# Allegro board reServer J2032_V1.brd (continued)
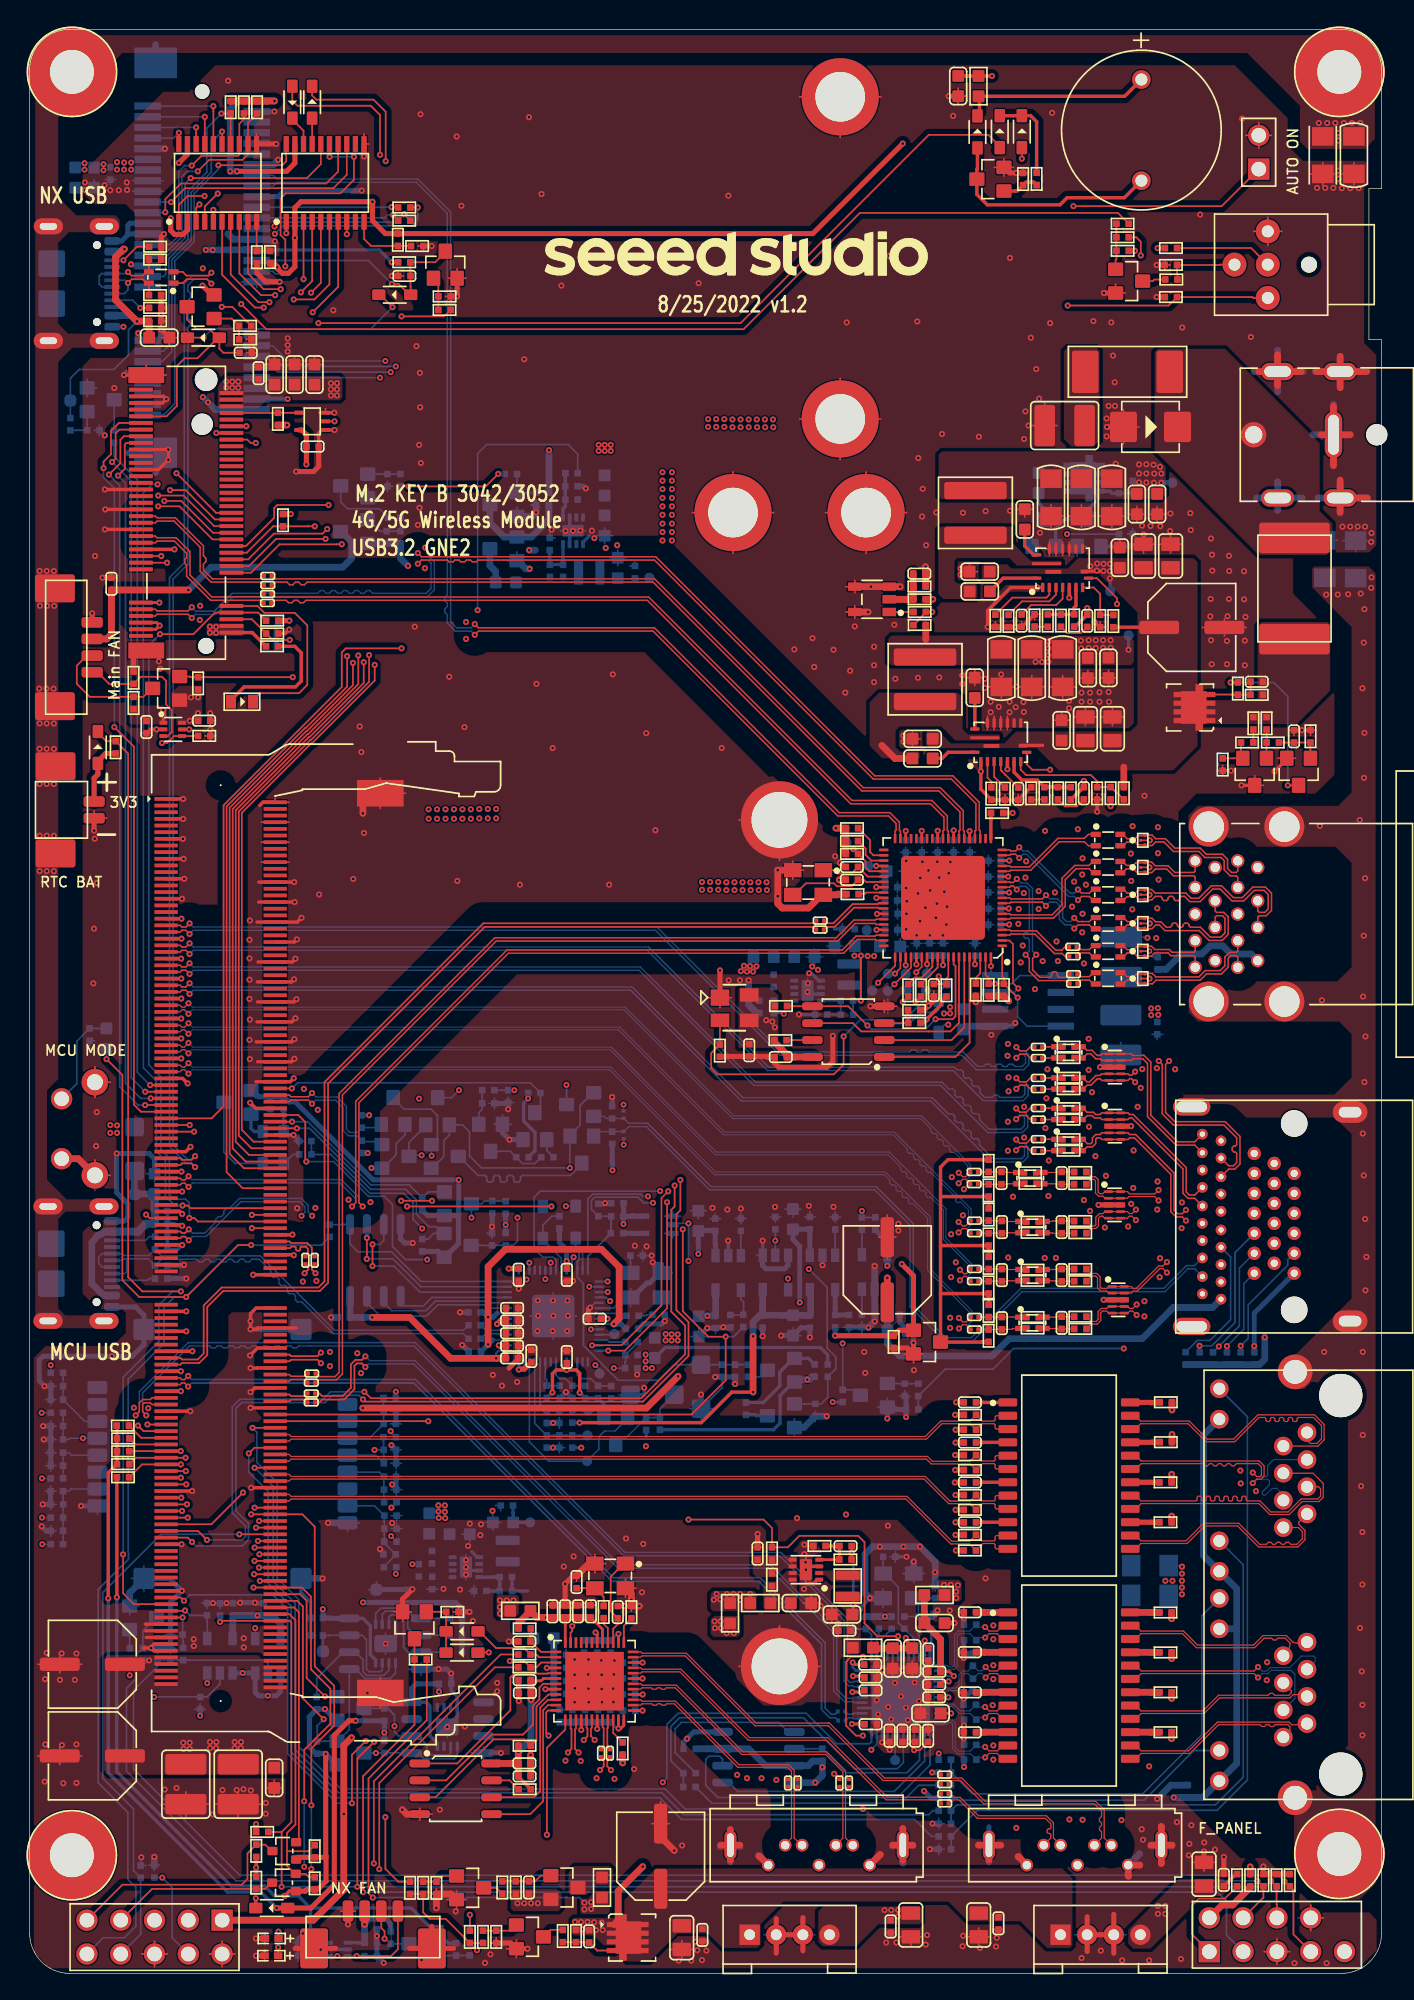
[diagram p0: board, top side]
## Routing (per net, layer and track width the routed paths; a pad name or vN(x,y) marks a point on that pad's centre or on a via; arc(x,y) is an arc through that point) (continued)
DP0_TXD2_P_CON: length 13.7
  TOP w0.109: R203.2 78.55,65 L20.2 79.16,65 79.47,64.7 79.95,64.7 80.12,64.52 80.45,64.52 80.58,64.65 D58.1 D58.10 82.54,64.65 82.67,64.52 82.94,64.52 86.92,60.54 86.92,58.71 87.16,58.48 87.56,58.48 J13.B7
DP0_TXD3_N: length 73.9
  TOP w0.109: J5.57 11.31,74.24 11.43,74.11 11.74,74.11 v1(12.01,74.39) ; v1(74.14,61.84) 74.42,62.12 74.85,62.12 74.9,62.12 75.21,61.81 C233.1
  BOTTOM w0.109: v1(12.01,74.39) 12.29,74.11 45.27,74.11 53.59,65.79 67.83,65.79 69.06,64.56 69.37,64.56 69.52,64.4 69.52,64.1 69.68,63.94 69.98,63.94 70.14,63.79 70.14,63.48 70.3,63.32 70.6,63.32 70.76,63.17 70.76,62.86 70.92,62.71 71.22,62.71 71.38,62.55 71.38,62.24 72.41,61.21 74.56,61.21 74.77,61.43 74.77,62.01 74.66,62.12 74.42,62.12 v1(74.14,61.84)
DP0_TXD3_N1: length 1.5
  TOP w0.109: C233.2 L21.4 77.16,61.81 R206.1
DP0_TXD3_N_CON: length 16.7
  TOP w0.109: R206.2 78.54,61.81 L21.3 79.19,61.81 79.47,62.09 79.86,62.09 80.12,62.34 80.12,62.67 80.22,62.78 80.45,62.78 80.58,62.65 D58.5 D58.6 82.54,62.65 82.67,62.78 83.02,62.78 85.76,60.03 85.76,57.23 86.16,56.83 86.62,56.83 v1(86.9,56.56)
  LYR3 w0.089: J13.B12 89.54,56.3 89.39,56.44 88.73,56.44 88.32,56.85 87.19,56.85 v1(86.9,56.56)
DP0_TXD3_P: length 74
  TOP w0.109: v1(74.14,62.64) 74.42,62.37 74.74,62.37 74.9,62.37 75.21,62.68 C232.1 ; J5.59 11.31,73.74 11.43,73.86 11.74,73.86 v1(12.01,73.59)
  BOTTOM w0.109: v1(12.01,73.59) 12.29,73.86 45.17,73.86 53.49,65.54 67.72,65.54 72.3,60.97 74.66,60.97 75.02,61.32 75.02,62.11 74.76,62.37 74.42,62.37 v1(74.14,62.64)
DP0_TXD3_P1: length 1.5
  TOP w0.109: R205.1 77.16,62.67 L21.1 76.59,62.66 76.58,62.68 C232.2
DP0_TXD3_P_CON: length 16.7
  TOP w0.109: R205.2 78.55,62.66 L21.2 79.16,62.66 79.49,62.34 79.76,62.34 79.87,62.45 79.87,62.77 80.12,63.02 80.45,63.02 80.58,63.15 D58.4 D58.7 82.54,63.15 82.67,63.02 83.12,63.02 86.01,60.13 86.01,57.34 86.26,57.08 86.62,57.08 v1(86.9,57.36)
  LYR3 w0.089: J13.B10 89.54,56.82 89.38,56.66 88.82,56.66 88.41,57.06 87.19,57.06 v1(86.9,57.36)
DP_MODE: length 34.5
  LYR3 w0.121: J13.B13 56.18,55.05
  LYR3 w0.127: 56.18,55.05 v1(56.04,55.05)
  BOTTOM w0.121: 56.04,55.47 56.04,55.46 U25.2
  BOTTOM w0.127: R207.1 56.04,55.06 v1(56.04,55.05)
DP_MODE_LS: length 43.5
  LYR3 w0.121: v1(56.99,52.2) 47.13,52.2 40.6,58.73 v1(40.6,60.51)
  BOTTOM w0.121: 30.18,60.48 Q24.1 ; Q25.1 v1(40.6,60.51) ; U25.4 v1(56.99,52.2)
  BOTTOM w0.127: Q25.1 40.6,62.97 41.36,63.73 41.36,65.21 42.32,66.17 Q28.1 ; Q24.1 30.24,60.49 31.12,61.37 31.12,62.57 31.55,62.99 Q27.1 32.53,63.75 33.05,63.23 33.05,61.43 33.97,60.51 v1(40.6,60.51)
EEPROM_A0: length 6.9
  BOTTOM w0.127: U34.1 26,27.03 26.4,27.44 28.18,27.44 28.95,26.67 U30.1 31.09,26.67 31.1,26.68 R251.2
EEPROM_A1: length 7.2
  BOTTOM w0.127: U34.2 26.5,26.98 26.73,27.21 27.95,27.21 28.41,26.75 28.41,25.94 28.95,25.4 U30.2 31.11,25.4 31.13,25.38 R250.2
EEPROM_A2: length 7.6
  BOTTOM w0.127: R249.2 31.13,24.14 31.12,24.13 U30.3 28.46,24.13 28.1,24.48 28.1,26.63 27.8,26.93 27.16,26.93 27,26.77 U34.3
EXTPWRON: length 3
  TOP w0.121: U17.63 67.04,75.62 v1(66.63,75.22)
  BOTTOM w0.121: TP16.1 66.65,74.6 66.63,74.61 v1(66.63,75.22)
FAN_PWM: length 114.3
  TOP w0.127: v1(16.82,28.99) J5.230 20.46,28.99 21.14,28.3 21.14,22.84 22.6,21.39 22.6,18.76 20.63,16.8 v1(20.63,12.94) ; v1(9.94,92.44) 10.32,92.44 10.84,92.96 U13.4 12.2,92.96 12.22,92.97 R77.1
  LYR3 w0.127: v1(16.82,28.99) 12.07,28.99 9.74,31.33 9.74,63.35 10.22,63.84 10.22,67.77 9.52,68.48 9.52,92.01 v1(9.94,92.44) ; v1(20.63,8.01) 20.63,6.27 17.89,3.53 17.89,1.53 18.45,0.97 22.79,0.97 v1(23.12,1.3)
  BOTTOM w0.127: v1(20.63,8.01) v1(20.63,12.94) ; v1(23.12,1.3) U33.4 21.55,1.3 21.54,1.31 R286.1
FAN_TACH: length 130.2
  TOP w0.127: v1(16.65,34.49) J5.208 20.49,34.49 21.42,33.56 21.42,23.07 22.88,21.61 22.88,18.61 21.17,16.9 v1(21.17,12.63) ; v1(19.77,97.38) R71.2 12.08,97.38 12.03,97.43 Q10.2
  LYR3 w0.127: v1(21.17,7.84) 21.17,6.28 18.25,3.36 18.25,1.66 18.63,1.28 22.39,1.28 22.84,1.73 v1(33.62,1.73) ; v1(16.65,34.49) 16.07,34.49 15.38,35.19 15.38,83.4 19.77,87.79 v1(19.77,97.38)
  BOTTOM w0.127: v1(21.17,12.63) 21.17,12.2 v1(21.17,7.84) ; v1(33.62,1.73) 33.61,1.73 R287.1
FORCE_RECOVERYN: length 43.7
  TOP w0.127: J5.214 v1(15.76,32.99)
  BOTTOM w0.127: J2.8 8.34,2.95 D20.2 7.81,7.71 7.81,12.35 5.5,14.66 5.5,28.63 9.86,32.99 v1(15.76,32.99)
GBE_LED_ACT: length 74.6
  TOP w0.127: J5.194 v1(16.9,37.99)
  BOTTOM w0.127: 68.32,12.17 R114.1 67.88,12.22 67.58,11.92 49.16,11.92 47.51,13.57 23.2,13.57 19.95,16.82 19.95,27.82 18.3,29.47 18.3,36.59 v1(16.9,37.99)
GBE_LED_LINK: length 77.2
  TOP w0.127: J5.188 16.89,39.49 v1(16.47,39.07)
  BOTTOM w0.127: R115.1 67.78,10.29 66.51,11.56 48.99,11.56 47.35,13.2 23.09,13.2 19.65,16.64 19.65,27.59 17.93,29.32 17.93,36.19 16.47,37.65 v1(16.47,39.07)
GBE_MDI0_N: length 56.3
  TOP w0.084: T2.2 72.65,41.9 72.56,41.81 72.56,41.58 72.48,41.49 71.6,41.49 D82.2 70.67,41.5 68.47,41.5 67.31,40.34 19.65,40.34 19.5,40.49 J5.184
GBE_MDI0_P: length 56.3
  TOP w0.084: T2.3 72.65,40.9 72.56,40.98 72.56,41.21 72.48,41.3 71.58,41.3 D81.2 70.68,41.3 68.55,41.3 67.4,40.14 19.65,40.14 19.5,39.99 J5.186
GBE_MDI1_N: length 56
  TOP w0.084: J5.190 19.5,38.99 19.65,38.84 67.48,38.84 67.84,38.47 70.11,38.47 70.29,38.47 70.66,38.47 D80.2 71.57,38.49 72.48,38.49 72.56,38.58 72.56,38.81 72.65,38.9 T2.5
GBE_MDI1_P: length 56
  TOP w0.084: J5.192 19.5,38.49 19.65,38.64 67.4,38.64 67.76,38.27 70.11,38.27 70.29,38.27 70.67,38.27 D79.2 71.6,38.3 72.48,38.3 72.56,38.21 72.56,37.98 72.65,37.9 T2.6
GBE_MDI2_N: length 56.6
  TOP w0.084: T2.8 72.65,35.9 72.56,35.81 72.56,35.58 72.48,35.49 71.57,35.49 D78.2 70.67,35.49 69.15,35.49 67.3,37.34 19.65,37.34 19.5,37.49 J5.196
GBE_MDI2_P: length 56.6
  TOP w0.084: T2.9 72.65,34.9 72.56,34.98 72.56,35.21 72.48,35.3 71.6,35.3 D77.2 70.66,35.29 69.07,35.29 67.22,37.14 19.65,37.14 19.5,36.99 J5.198
GBE_MDI3_N: length 57.2
  TOP w0.084: J5.202 19.5,35.99 19.65,35.84 65.93,35.84 69.31,32.46 70.64,32.46 D76.2 71.57,32.49 72.48,32.49 72.56,32.58 72.56,32.81 72.65,32.9 T2.11
GBE_MDI3_P: length 57.2
  TOP w0.084: T2.12 72.65,31.9 72.56,31.98 72.56,32.21 72.48,32.3 71.64,32.3 D75.2 70.63,32.27 69.22,32.27 65.85,35.64 19.65,35.64 19.5,35.49 J5.204
GPIO1: length 3.2
  TOP w0.121: v1(63.76,74.43) 65.04,75.71 U17.58
  BOTTOM w0.121: v1(63.76,74.43) 63.32,73.99 TP11.1
GPIO01: length 83.2
  TOP w0.127: J5.118 16.01,58.99 14.8,60.2 14.8,87.67 20.69,93.56 20.74,93.56 23.86,96.68 v1(23.86,98.97) ; v1(19.29,130.74) 19.29,131.59 U27.1
  LYR3 w0.127: v1(19.29,130.74) 22.67,130.74 23.86,129.55 v1(23.86,98.97)
GPIO2: length 2
  TOP w0.121: v1(65.03,75.11) 65.44,75.52 U17.59
  BOTTOM w0.121: TP12.1 64.5,75.11 v1(65.03,75.11)
GPIO3: length 1.3
  TOP w0.121: U17.60 v1(65.84,75.74)
  BOTTOM w0.121: v1(65.84,75.74) 65.84,75.11 TP13.1
GPIO4: length 3.3
  TOP w0.121: v1(64.99,74.31) 66.24,75.56 U17.61
  BOTTOM w0.121: v1(64.99,74.31) TP15.1
GPIO07: length 102.1
  TOP w0.127: U27.7 23.18,126.71 v1(21.27,124.8) ; J5.206 v1(16.9,34.99)
  LYR3 w0.127: v1(21.27,124.8) 21.27,113.24 20.18,112.15 20.18,87.66 15.61,83.09 15.61,35.9 16.52,34.99 v1(16.9,34.99)
GPIO09: length 81.4
  TOP w0.127: J5.130 v1(16.7,55.99) ; v1(20.58,127.29) U27.3
  LYR3 w0.127: v1(20.58,127.29) 21.6,127.29 22.1,126.78 22.1,113.01 21.02,111.92 21.02,87.51 16.06,82.56 16.06,56.62 v1(16.7,55.99)
GPIO11: length 105.2
  TOP w0.127: U27.5 21.88,127.01 v1(21.14,126.27) ; J5.216 v1(17.15,32.49)
  LYR3 w0.127: v1(21.14,126.27) 20.84,125.97 20.84,114.48 18.88,112.53 18.88,87.92 14.89,83.93 14.89,33.18 15.59,32.49 v1(17.15,32.49)
GPIO12: length 105.6
  TOP w0.127: v1(20.38,126.3) 21.23,127.15 U27.4 ; J5.218 v1(16.9,31.99)
  LYR3 w0.127: v1(16.9,31.99) 15.58,31.99 14.67,32.9 14.67,84.21 18.55,88.09 18.55,112.76 20.38,114.59 v1(20.38,126.3)
GPIO13: length 109.1
  TOP w0.127: v1(19.85,125.76) 21.4,125.76 22.53,126.9 U27.6 ; J5.228 v1(17.3,29.49)
  LYR3 w0.127: v1(19.85,125.76) 19.85,125.36 19.84,125.36 19.84,114.58 18.17,112.91 18.17,88.25 14.44,84.51 14.44,31.68 16.63,29.49 v1(17.3,29.49)
HDD_LED1: length 6.5
  TOP w0.127: D16.1 33.71,24.11 v1(34.5,24.11) ; v1(36.09,23.47) 36.93,23.47 37.03,23.47 37.17,23.47 R132.1 38.08,22.99 38.45,23.36 38.96,23.36 38.96,23.35 U21.3
  LYR3 w0.127: v1(36.09,23.47) 35.15,23.47 v1(34.5,24.11)
HDD_LED2: length 6.7
  TOP w0.127: U21.2 38.29,23.75 38.08,23.96 R133.1 37.15,24.45 35.04,24.45 33.79,25.7 D17.1
HDD_LED-: length 90.1
  TOP w0.127: Q13.3 28.92,24.37 28.92,24.37 R84.2 28.92,18.68 25.05,14.82 v1(25.05,6.1)
  BOTTOM w0.127: J4.3 89.95,2.88 89.95,5.42 89.27,6.1 v1(25.05,6.1)
HDMI_CEC: length 6.6
  TOP w0.254: J5.94 17,64.99 v1(16.57,65.41)
  BOTTOM w0.254: D33.1 16.87,63.25 16.63,63.49 Q20.2 ; Q20.2 17.01,64.94 R163.2 ; Q20.2 16.63,65.35 16.57,65.41 v1(16.57,65.41)
HDMI_CEC_CON: length 86.7
  LYR3 w0.127: v1(87.92,47.15) 83.35,47.15 78.83,51.67 47.1,51.67 41.55,57.22 30.75,57.22 v1(29.5,55.96)
  BOTTOM w0.127: C215.1 21.17,61.98 21.18,61.97 L15.2 21.62,61.52 21.62,61.53 22.64,61.53 25.56,58.6 28.1,58.6 28.81,57.89 28.81,56.65 v1(29.5,55.96) ; J13.A13 90.59,54.15 90.59,48.89 88.85,47.15 v1(87.92,47.15) D38.2
HDMI_DDC_SCL: length 18.3
  TOP w0.127: v1(20.08,63.49) 19.7,63.49 J5.100
  BOTTOM w0.127: R148.2 29.94,55.17 30.36,55.59 31.08,55.59 ; 31.08,55.59 Q18.2 ; 31.08,55.59 30.57,56.1 30.01,56.1 29.2,56.91 29.06,57.05 29.06,58.11 28.25,58.91 25.61,58.91 21.03,63.49 20.46,63.49 20.46,63.49 v1(20.08,63.49)
HDMI_DDC_SCL_CON: length 73.3
  LYR3 w0.127: v1(89.37,47.1) 88.99,46.72 83.07,46.72 78.52,51.26 46.92,51.26 41.41,56.78 v1(36.66,56.78)
  BOTTOM w0.127: 90.92,48.65 D37.2 ; 90.92,48.65 90.92,52.98 J13.A15 ; 90.92,48.65 v1(89.37,47.1) ; Q18.3 34.06,54.7 34.07,54.69 C208.1 34.76,54.7 R150.2 36.34,54.7 36.66,55.02 v1(36.66,56.78)
HDMI_DDC_SDA: length 15.3
  TOP w0.127: J5.98 v1(19.72,63.99)
  BOTTOM w0.127: v1(19.72,63.99) 20.89,63.99 25.64,59.24 28.53,59.24 R149.2 29.94,58.71 Q19.2
HDMI_DDC_SDA_CON: length 75.6
  LYR3 w0.127: v1(33.2,56.78) 35.93,56.78 36.43,56.27 41.31,56.27 46.72,50.86 77.75,50.86 82.69,45.92 89.79,45.92 91.02,47.15 v1(91.02,47.15)
  BOTTOM w0.127: J13.A16 94.55,53.61 94.55,53.19 91.58,50.22 91.58,47.71 v1(91.02,47.15) D36.2 ; R151.2 35.21,58.01 35.21,58.02 C209.1 34.16,58.02 33.96,57.82 Q19.3 v1(33.2,56.78)
HDMI_HPD: length 60
  TOP w0.127: v1(20.79,60.99) 20.71,61.07 20.71,63.96 20.19,64.49 J5.96
  LYR3 w0.127: v1(61.1,47.33) 61.1,48.93 60.11,49.92 46.19,49.92 41.54,54.57 30.82,54.57 v1(29.88,53.63)
  BOTTOM w0.127: v1(29.88,53.63) 28.25,53.63 27.26,54.62 27.26,57.77 26.65,58.38 25.46,58.38 22.84,60.99 v1(20.79,60.99) ; Q22.3 62.01,43.85 R181.2 v1(61.1,47.33)
HDMI_HPD_CON: length 33.1
  LYR3 w0.127: v1(89.98,47.13) 89.19,46.34 82.84,46.34 v1(82.23,46.95)
  BOTTOM w0.127: v1(82.23,46.95) 73.95,46.95 72.4,45.4 68.8,45.4 R185.2 66.79,42.81 66.79,42.81 C219.1 ; D34.2 v1(89.98,47.13) 91.25,48.39 91.25,51.81 J13.A19
HDMI_TX0_N: length 71.8
  TOP w0.084: C216.1 70.37,52.37 70.21,52.37 v1(69.91,52.07) ; v1(11.94,69.91) 11.61,69.59 11.45,69.59 11.3,69.74 J5.75
  BOTTOM w0.084: v1(11.94,69.91) 12.26,69.59 43.73,69.59 51.61,61.7 64.6,61.7 68.86,57.44 68.86,55.23 70.8,53.3 70.8,52.63 70.53,52.37 70.21,52.37 v1(69.91,52.07)
HDMI_TX0_N1: length 3.6
  TOP w0.084: C216.2 71.64,52.01 71.65,52 R174.2 72.64,52 72.64,52 C273.2 73.48,52 73.52,52.03 L16.4 74.91,52.03 L28.1
HDMI_TX0_N2: length 3.1
  TOP w0.084: L16.3 76.3,52.03 L28.2 75.84,52.03 L16.3 ; L16.3 77.1,52.03 77.14,52 C274.2 78.07,52 78.08,52 R178.1
HDMI_TX0_P: length 71.8
  TOP w0.084: v1(69.91,52.86) 70.21,52.56 70.37,52.56 C214.1 ; J5.77 11.3,69.24 11.45,69.39 11.66,69.39 v1(11.94,69.12)
  BOTTOM w0.084: v1(69.91,52.86) 70.21,52.56 70.45,52.56 70.6,52.72 70.6,53.22 68.67,55.15 68.67,57.36 67.71,58.32 67.48,58.32 67.36,58.44 67.36,58.67 67.24,58.79 67.01,58.79 66.88,58.91 66.88,59.14 66.76,59.27 66.53,59.27 66.41,59.39 66.41,59.62 66.29,59.74 66.06,59.74 65.93,59.86 65.93,60.09 65.81,60.21 65.58,60.21 65.46,60.34 65.46,60.57 64.52,61.5 51.53,61.5 43.64,69.39 12.21,69.39 v1(11.94,69.12)
HDMI_TX0_P1: length 3.7
  TOP w0.084: C214.2 71.65,52.92 71.65,52.92 R169.2 72.64,52.92 72.64,52.92 C273.1 73.48,52.92 73.52,52.88 L16.1 74.89,52.88 ; 74.91,52.89 74.9,52.88 74.89,52.88 ; 74.89,52.88 L27.1
HDMI_TX0_P2: length 3.2
  TOP w0.084: 75.85,52.88 75.84,52.88 75.83,52.89 ; 75.85,52.88 L16.2 ; 75.85,52.88 L27.2 76.28,52.87 L16.2 ; L16.2 77.1,52.88 77.14,52.92 C274.1 78.07,52.92 78.08,52.92 R177.1
HDMI_TX1_N: length 70
  TOP w0.084: C213.1 70.38,55.96 70.11,55.96 v1(69.81,55.66) ; v1(11.94,71.38) 11.64,71.09 11.45,71.09 11.3,71.24 J5.69
  BOTTOM w0.084: v1(11.94,71.38) 12.23,71.09 44.35,71.09 52.23,63.2 64.98,63.2 70.75,57.44 70.75,56.24 70.47,55.96 70.11,55.96 v1(69.81,55.66)
HDMI_TX1_N1: length 4.1
  TOP w0.084: C213.2 71.64,55.61 71.65,55.6 R167.2 72.64,55.6 72.64,55.61 C271.2 73.48,55.61 73.52,55.64 L14.4 74.44,55.64 ; 74.44,55.64 74.44,55.63 74.91,55.63 ; 74.44,55.64 L26.1
HDMI_TX1_N2: length 3.1
  TOP w0.084: 76.28,55.64 76.28,55.63 75.83,55.63 ; 76.28,55.64 L26.2 ; 76.28,55.64 L14.3 76.83,55.64 76.86,55.6 C272.2 77.98,55.6 77.98,55.61 R175.1
HDMI_TX1_P: length 70
  TOP w0.084: v1(69.81,56.45) 70.11,56.16 70.33,56.16 C212.1 ; v1(11.94,70.59) 11.64,70.89 11.45,70.89 11.3,70.74 J5.71
  BOTTOM w0.084: v1(69.81,56.45) 70.11,56.16 70.38,56.16 70.55,56.33 70.55,57.36 69.98,57.93 69.86,57.93 69.84,57.91 69.72,57.91 69.6,58.03 69.6,58.15 69.62,58.17 69.62,58.29 67.72,60.19 67.52,60.19 67.38,60.32 67.38,60.53 67.24,60.66 67.04,60.66 66.91,60.8 66.91,61 66.77,61.14 66.57,61.14 66.43,61.27 66.43,61.47 66.3,61.61 66.09,61.61 65.96,61.75 65.96,61.95 64.9,63 52.15,63 44.26,70.89 12.23,70.89 v1(11.94,70.59)
HDMI_TX1_P1: length 4.1
  TOP w0.084: L14.1 74.45,56.48 L25.1 ; L14.1 73.53,56.49 73.48,56.53 C271.1 72.64,56.53 72.62,56.55 R165.2 71.65,56.55 71.65,56.55 C212.2 ; L14.1 74.44,56.5 74.9,56.5
HDMI_TX1_P2: length 3.1
  TOP w0.084: L14.2 76.28,56.5 75.83,56.5 ; L14.2 76.83,56.49 76.87,56.53 C272.1 77.98,56.53 77.99,56.52 R172.1 ; L14.2 76.27,56.48 L25.2
HDMI_TX2_N: length 68.8
  TOP w0.084: v1(69.82,59.36) 70.12,59.65 70.34,59.65 C211.1 ; v1(11.94,72.88) 11.64,72.59 11.45,72.59 11.3,72.74 J5.63
  BOTTOM w0.084: v1(69.82,59.36) 70.12,59.65 70.43,59.65 70.7,59.93 70.7,60.76 67.04,64.42 52.92,64.42 44.75,72.59 12.23,72.59 v1(11.94,72.88)
HDMI_TX2_N1: length 4
  TOP w0.084: 74.73,59.32 74.28,59.32 L13.4 ; L13.4 73.49,59.32 73.46,59.29 C269.2 72.62,59.29 72.61,59.29 R161.2 71.65,59.29 71.64,59.3 C211.2 ; L13.4 74.75,59.32 L24.1
HDMI_TX2_N2: length 3.3
  TOP w0.084: L13.3 75.66,59.32 75.65,59.32 ; L13.3 77.11,59.32 77.14,59.29 C270.2 77.98,59.29 77.98,59.29 R170.1 ; L13.3 76.12,59.32 L24.2
HDMI_TX2_P: length 68.6
  TOP w0.084: J5.65 11.3,72.24 11.45,72.39 11.64,72.39 v1(11.94,72.09) ; v1(69.82,60.15) 70.12,59.85 70.34,59.85 C210.1
  BOTTOM w0.084: v1(69.82,60.15) 70.12,59.85 70.34,59.85 70.5,60.01 70.5,60.68 69.5,61.68 69.27,61.68 69.15,61.81 69.15,62.04 69.02,62.16 68.79,62.16 68.67,62.28 68.67,62.51 68.55,62.63 68.32,62.63 68.2,62.76 68.2,62.98 68.07,63.11 67.85,63.11 67.72,63.23 67.72,63.46 66.96,64.22 52.84,64.22 44.67,72.39 12.23,72.39 v1(11.94,72.09)
HDMI_TX2_P1: length 3.9
  TOP w0.084: L13.1 73.5,60.17 73.46,60.22 C269.1 72.62,60.22 72.61,60.21 R159.2 71.65,60.21 C210.2 ; L13.1 74.71,60.17 L23.1 ; L13.1 74.28,60.18 74.73,60.18
HDMI_TX2_P2: length 3.3
  TOP w0.084: 76.11,60.18 76.11,60.18 L23.2 ; 76.11,60.18 L13.2 77.1,60.17 77.14,60.22 C270.1 77.98,60.22 77.99,60.21 R173.1 ; 76.11,60.18 75.65,60.18 75.66,60.17
HDMI_TXC_CON_N: length 22.4
  TOP w0.084: R180.2 79.78,48.78 80.23,48.78 80.5,49.05 80.5,49.63 80.62,49.76 80.94,49.76 81.09,49.61 D56.5 D56.6 82.53,49.61 82.68,49.76 82.9,49.76 v1(83.19,49.46)
  LYR3 w0.076: v1(83.19,49.46) 83.49,49.76 90.69,49.76 91.42,50.49 91.42,54.43 91.74,54.74 92.42,54.74 93.21,55.53 93.8,55.53 94.51,56.24 94.93,56.24 95.04,56.14 J13.A12
HDMI_TXC_CON_P: length 22.5
  TOP w0.084: R179.2 79.78,48.98 80.15,48.98 80.3,49.13 80.3,49.71 80.54,49.96 80.95,49.96 81.1,50.11 D56.4 D56.7 82.52,50.11 82.67,49.96 82.9,49.96 v1(83.19,50.25)
  LYR3 w0.076: J13.A10 95.04,56.55 94.93,56.45 94.43,56.45 93.72,55.73 93.13,55.73 92.34,54.95 91.65,54.95 91.22,54.52 91.22,50.58 90.6,49.96 83.49,49.96 v1(83.19,50.25)
HDMI_TXC_N: length 73.9
  TOP w0.084: v1(69.84,48.45) 70.13,48.75 70.36,48.75 C218.1 ; v1(11.94,68.38) 11.64,68.09 11.45,68.09 11.3,68.24 J5.81
  BOTTOM w0.084: v1(69.84,48.45) 70.13,48.75 70.57,48.75 70.8,48.98 70.8,49.79 67.68,52.92 67.68,56.83 64.3,60.2 51.55,60.2 43.66,68.09 12.23,68.09 v1(11.94,68.38)
HDMI_TXC_N1: length 4.1
  TOP w0.084: C218.2 71.64,48.37 71.65,48.37 R184.2 72.63,48.37 72.64,48.39 C275.2 73.83,48.39 73.89,48.45 L17.4 ; L30.1 74.91,48.45 L17.4 ; L17.4 74.44,48.45 74.89,48.45
HDMI_TXC_N2: length 3.2
  TOP w0.084: L17.3 75.82,48.45 75.82,48.45 ; L17.3 76.28,48.45 L30.2 ; L17.3 77.1,48.45 77.14,48.41 C276.2 78.07,48.41 78.08,48.42 R180.1
HDMI_TXC_P: length 73.8
  TOP w0.084: v1(69.84,49.24) 70.13,48.94 70.36,48.94 C217.1 ; v1(11.94,67.59) 11.64,67.89 11.45,67.89 11.3,67.74 J5.83
  BOTTOM w0.084: v1(69.84,49.24) 70.13,48.94 70.48,48.94 70.6,49.06 70.6,49.71 67.48,52.83 67.48,56.74 66.41,57.81 66.18,57.81 66.06,57.94 66.06,58.17 65.93,58.29 65.7,58.29 65.58,58.41 65.58,58.64 65.46,58.76 65.23,58.76 65.11,58.89 65.11,59.11 64.98,59.24 64.76,59.24 64.63,59.36 64.63,59.59 64.22,60 51.47,60 43.58,67.89 12.23,67.89 v1(11.94,67.59)
HDMI_TXC_P1: length 4.1
  TOP w0.084: L29.1 74.9,49.3 L17.1 ; C217.2 71.64,49.31 71.65,49.31 R182.2 72.64,49.31 72.64,49.31 C275.1 73.88,49.31 73.89,49.3 L17.1 ; 74.89,49.31 74.44,49.31 L17.1
HDMI_TXC_P2: length 3.2
  TOP w0.084: L17.2 77.1,49.3 77.14,49.34 C276.1 78.08,49.34 78.08,49.33 R179.1 ; L17.2 75.82,49.3 75.81,49.31 ; L17.2 76.27,49.31 L29.2
HDMI_TXD0_CON_N: length 18.9
  TOP w0.084: R178.2 79.81,52.39 80.12,52.39 80.25,52.25 80.25,51.5 80.49,51.26 80.94,51.26 81.09,51.11 D56.2 D56.9 82.78,51.11 82.93,51.26 83.24,51.26 84.93,52.95 85.17,52.95 v1(85.47,52.65)
  LYR3 w0.076: v1(85.47,52.65) 85.76,52.94 88.41,52.94 89.19,53.72 89.97,53.72 90.51,54.25 90.51,57.48 90.78,57.75 91.39,57.75 J13.A9
HDMI_TXD0_CON_P: length 18.9
  TOP w0.084: R177.2 79.75,52.59 80.2,52.59 80.45,52.33 80.45,51.58 80.57,51.46 80.95,51.46 81.1,51.61 D56.1 D56.10 82.78,51.61 82.93,51.46 83.16,51.46 84.85,53.14 85.17,53.14 v1(85.47,53.44)
  LYR3 w0.076: v1(85.47,53.44) 85.76,53.15 88.33,53.15 89.1,53.92 89.89,53.92 90.31,54.34 90.31,57.56 90.7,57.95 91.39,57.95 J13.A7
HDMI_TXD1_CON_N: length 24.3
  TOP w0.084: v1(83.14,56.59) 82.84,56.89 82.65,56.89 82.5,56.74 D55.6 D55.5 80.8,56.74 80.65,56.89 80.48,56.89 80.32,56.73 80.32,56.16 80.12,55.96 79.77,55.96 R175.2
  LYR3 w0.076: J13.A6 95.04,59.16 94.88,59.32 94.41,59.32 94.1,59.63 94.1,61.94 93.47,62.57 91.58,62.57 90.9,61.88 89.38,61.88 88.48,60.98 84.96,60.98 84.16,60.18 84.16,57.17 83.87,56.88 83.43,56.88 v1(83.14,56.59)
HDMI_TXD1_CON_P: length 24.3
  TOP w0.084: v1(83.14,57.38) 82.84,57.08 82.65,57.08 82.5,57.24 D55.7 D55.4 80.81,57.24 80.66,57.08 80.4,57.08 80.13,56.81 80.13,56.25 80.04,56.16 79.78,56.16 R172.2
  LYR3 w0.076: v1(83.14,57.38) 83.43,57.09 83.78,57.09 83.96,57.26 83.96,57.65 83.8,57.8 83.8,57.96 83.96,58.11 83.96,60.26 84.88,61.19 88.39,61.19 89.29,62.09 90.82,62.09 91.5,62.77 93.56,62.77 94.3,62.02 94.3,59.71 94.5,59.52 94.85,59.52 95.04,59.7 J13.A4
HDMI_TXD2_CON_N: length 16.3
  TOP w0.084: R170.2 79.78,59.65 80.01,59.65 80.1,59.56 80.1,58.63 80.34,58.39 80.67,58.39 80.82,58.24 D55.2 D55.9 82.5,58.24 82.63,58.36 84.55,58.36 v1(84.84,58.06)
  LYR3 w0.076: v1(84.84,58.06) 85.14,58.36 85.55,58.36 86.71,59.52 88.34,59.52 88.77,59.09 90.18,59.09 90.76,59.67 90.76,60.48 91.03,60.75 91.39,60.75 J13.A3
HDMI_TXD2_CON_P: length 16.3
  TOP w0.084: v1(84.84,58.85) 84.55,58.56 82.68,58.56 82.5,58.74 D55.10 D55.1 80.81,58.74 80.66,58.58 80.42,58.58 80.3,58.71 80.3,59.65 80.1,59.85 79.78,59.85 R173.2
  LYR3 w0.076: J13.A1 91.39,60.95 90.95,60.95 90.56,60.57 90.56,59.76 90.1,59.29 88.86,59.29 88.43,59.72 86.62,59.72 85.46,58.56 85.14,58.56 v1(84.84,58.85)
HISN: length 56.7
  TOP w0.127: C109.2 21.78,43.57 21.97,43.38 23.52,43.38 24.14,44 24.14,45.75 24.48,46.09 24.97,46.09 v1(25.23,46.36)
  BOTTOM w0.109: v1(25.23,46.36) 25.56,46.03 28.97,46.03 44.31,30.69 55.66,30.69 60.66,25.69 60.66,21.34 61.34,20.66 61.87,20.66 61.95,20.74 U16.42
HISP: length 56.7
  TOP w0.127: C108.2 21.77,42.9 21.98,43.11 23.63,43.11 24.41,43.89 24.41,45.64 24.59,45.82 24.97,45.82 v1(25.23,45.56)
  BOTTOM w0.109: v1(25.23,45.56) 25.46,45.78 28.86,45.78 44.2,30.44 55.56,30.44 60.42,25.58 60.42,21.24 61.24,20.41 61.87,20.41 61.95,20.34 U16.41
HSON: length 1.4
  BOTTOM w0.127: C105.2 61.51,19.47 61.85,19.47 61.91,19.54 U16.39
HSOP: length 1.4
  BOTTOM w0.127: U16.38 61.91,19.14 61.85,19.2 61.53,19.2 C104.2
HUB1_5V:
  vias: v1(84.29,72.5) v1(84.29,71.99) v1(84.79,72.52) v1(84.82,72.02)
HUB2_5V: length 8.7
  BOTTOM w0.508: J8.1 91.79,76.59 90.28,76.59 89.67,77.2 88.71,77.2 88.1,76.59 86.56,76.59 85.4,75.43 D60.2
HUB_EN1: length 6.3
  TOP w0.121: v1(74.31,74) 73.9,74.41 73.9,77.33 73.63,77.6 U17.2
  BOTTOM w0.121: U19.3 74.01,73.7 v1(74.31,74)
HUB_EN2: length 1.5
  TOP w0.121: U17.76 v1(72.24,75.68)
  BOTTOM w0.121: v1(72.24,75.68) 72.24,75.29 U19.4
HUB_HP1_N: length 9
  TOP w0.109: U17.10 73.66,80.8 73.73,80.73 76.11,80.73 v1(76.38,81) ; L7.1 79.94,79.32 79.64,79.02 79.11,79.02 78.78,79.02 v1(78.51,79.3)
  BOTTOM w0.109: v1(76.38,81) 76.66,80.73 77.25,80.73 77.63,80.35 77.63,79.3 77.91,79.02 78.23,79.02 v1(78.51,79.3)
HUB_HP1_P: length 9
  TOP w0.109: L7.4 79.94,78.47 79.64,78.77 79.21,78.77 78.78,78.77 v1(78.51,78.5) ; U17.9 73.66,80.4 73.73,80.48 76.11,80.48 v1(76.38,80.2)
  BOTTOM w0.109: v1(78.51,78.5) 78.23,78.77 77.81,78.77 77.38,79.2 77.38,80.24 77.15,80.48 76.66,80.48 v1(76.38,80.2)
HUB_HP2_N: length 9
  TOP w0.109: v1(74.37,84.6) 74.1,84.33 73.73,84.33 73.66,84.4 U17.19 ; L10.1 79.94,81.46 79.64,81.16 79.06,81.16 v1(78.78,81.43)
  BOTTOM w0.109: v1(74.37,84.6) 74.65,84.33 75.02,84.33 78.19,81.16 78.51,81.16 v1(78.78,81.43)
HUB_HP2_P: length 9
  TOP w0.109: v1(74.37,83.8) 74.1,84.08 73.95,84.08 73.95,84.08 73.73,84.08 73.66,84 U17.18 ; L10.4 79.94,80.61 79.64,80.91 79.06,80.91 v1(78.78,80.63)
  BOTTOM w0.109: v1(78.78,80.63) 78.51,80.91 78.09,80.91 74.92,84.08 74.65,84.08 v1(74.37,83.8)
HUB_HP3_N: length 79.4
  TOP w0.109: v1(29.17,105.91) 29.44,106.18 31.38,106.18 31.52,106.05 31.82,106.05 31.95,106.18 32.26,106.18 32.39,106.05 32.69,106.05 32.83,106.18 33.13,106.18 33.26,106.05 33.57,106.05 33.7,106.18 46.95,106.18 63.41,89.72 69.27,89.72 71.12,87.88 71.12,85.9 71.04,85.82 U17.23 ; J15.9 9.44,102.49 9.57,102.36 9.72,102.36 11.9,102.36 v1(12.18,102.63)
  BOTTOM w0.109: v1(12.18,102.63) 12.47,102.34 13.88,102.34 15.22,103.68 21.64,103.68 21.84,103.89 22.07,103.89 22.28,103.68 22.51,103.68 22.72,103.89 22.95,103.89 23.15,103.68 23.38,103.68 23.59,103.89 23.82,103.89 24.03,103.68 24.26,103.68 24.47,103.89 24.69,103.89 24.9,103.68 25.13,103.68 25.34,103.89 25.57,103.89 25.78,103.68 29.8,103.68 30.16,104.05 30.16,105.95 29.93,106.18 29.44,106.18 v1(29.17,105.91)
HUB_HP3_P: length 79.4
  TOP w0.109: v1(12.18,101.83) 11.91,102.11 9.62,102.11 9.57,102.11 9.44,101.99 J15.7 ; U17.22 71.44,85.82 71.36,85.9 71.36,87.99 69.38,89.97 63.51,89.97 47.05,106.43 29.44,106.43 v1(29.17,106.71)
  BOTTOM w0.109: v1(29.17,106.71) 29.44,106.43 30.03,106.43 30.41,106.05 30.41,103.94 29.91,103.44 15.32,103.44 13.98,102.09 12.44,102.09 v1(12.18,101.83)
HUB_HP4_N: length 87.9
  TOP w0.109: v1(33.45,100.57) 33.73,100.85 46.85,100.85 60.74,86.96 64.55,86.96 65.12,86.39 65.12,85.9 65.04,85.82 U17.38
  BOTTOM w0.109: J16.36 18.31,134.29 18.59,134.56 29.06,134.56 31.38,132.23 31.38,103.57 31.2,103.39 31.2,103.13 31.38,102.95 31.38,102.7 31.2,102.51 31.2,102.26 31.38,102.08 31.38,101.45 31.99,100.84 33.17,100.84 v1(33.45,100.57)
HUB_HP4_P: length 88
  TOP w0.109: U17.37 65.44,85.82 65.36,85.9 65.36,86.49 64.65,87.21 60.84,87.21 46.95,101.09 33.72,101.09 v1(33.45,101.37)
  BOTTOM w0.109: v1(33.45,101.37) 33.17,101.09 32.1,101.09 31.63,101.56 31.63,132.34 29.16,134.81 18.57,134.81 18.3,135.09 J16.38
HUB_OVCUR1: length 9.3
  TOP w0.121: U17.1 73.09,74.91 73.21,74.79 R118.2
  TOP w0.127: R118.2 v1(74.25,73.31)
  BOTTOM w0.127: U19.8 74.96,71.16 74.25,71.87 v1(74.25,73.31)
HUB_OVCUR2: length 7.8
  TOP w0.121: v1(72.54,74.35) 72.07,74.35 R119.2 72.07,74.79 71.84,75.02 U17.75
  BOTTOM w0.121: U19.5 74.41,74.97 73.8,74.35 v1(72.54,74.35)
HUB_RST: length 31.5
  TOP w0.121: R263.2 68.9,74.76 69.04,74.9 69.04,75.81 ; v1(68.32,74.9) 68.32,74.7 C120.1
  TOP w0.127: U31.2 51.88,70.91 51.87,70.89 R264.1 51.22,69.14 51.22,68 51.67,67.55 60.44,67.55 61.17,68.28 v1(61.17,70.39) ; R263.2 68.46,74.32 68.45,74.33 C120.1 67.97,74.32 ; 69.04,75.81 U17.68
  BOTTOM w0.121: TP10.1 68.41,74.9 v1(68.32,74.9)
  BOTTOM w0.127: v1(61.17,70.39) 62.42,71.64 64.27,71.64 64.55,71.36 66.13,71.36 66.96,72.19 68.1,72.19 68.32,72.41 D62.1 68.29,73.13 68.29,73.69 TP10.1
HUB_SSRX0_N: length 69.3
  TOP w0.109: U17.52 63.63,79.2 63.55,79.13 61.94,79.13 60.62,77.81 34.96,77.81 23.26,66.1 23.26,45.14 22.95,44.84 21.68,44.84 C83.2
